# KiCad board SP110Duo.kicad_pcb (continued)
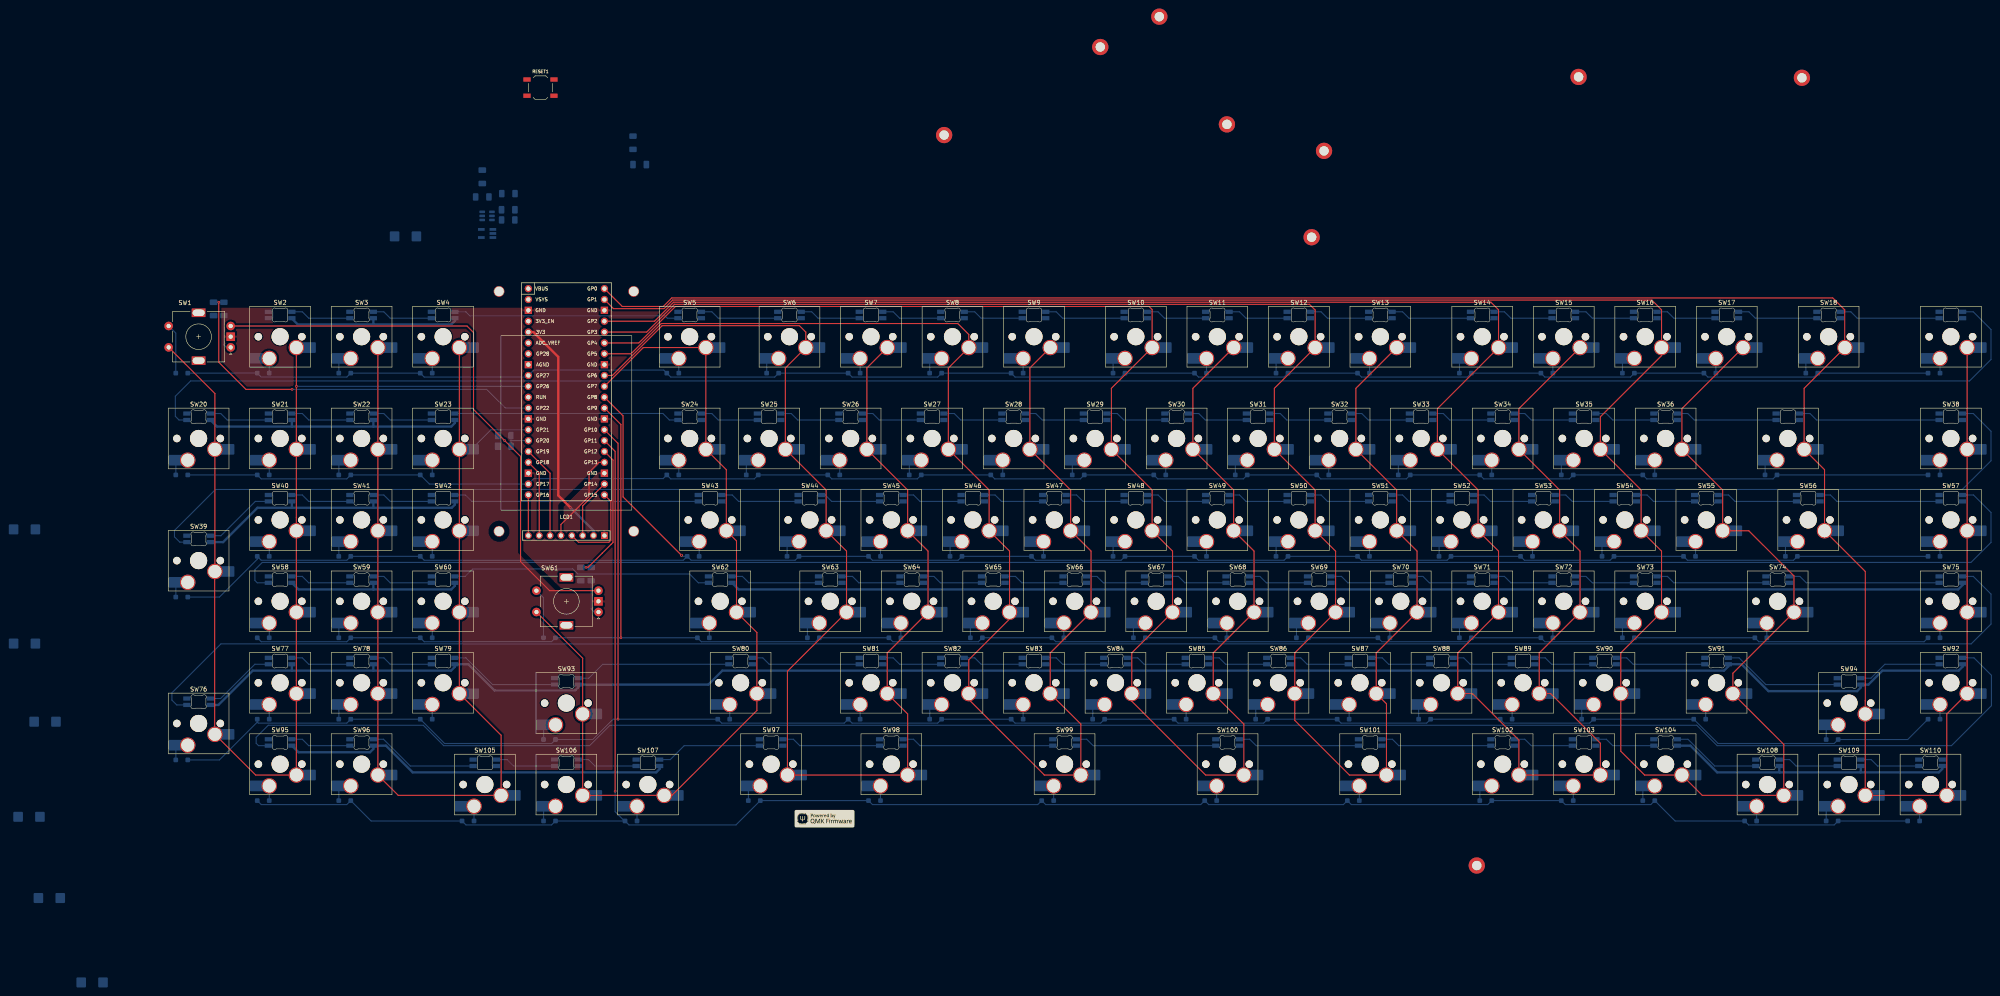
[diagram p0: board, top side]
## Routing (per net, layer and track width the routed paths; a pad name or vN(x,y) marks a point on that pad's centre or on a via; arc(x,y) is an arc through that point) (continued)
Net-(SW27-DOUT): length 14.2
  Bottom w0.25: SW27.4 178.44,83.35 179.94,81.85 SW28.5
Net-(SW28-DOUT): length 14.2
  Bottom w0.25: SW28.4 197.49,83.35 198.99,81.85 SW29.5
Net-(SW29-DOUT): length 14.2
  Bottom w0.25: SW30.5 218.04,81.85 216.54,83.35 SW29.4
Net-(SW30-DOUT): length 14.2
  Bottom w0.25: SW30.4 235.59,83.35 237.09,81.85 SW31.5
Net-(SW31-DOUT): length 14.2
  Bottom w0.25: SW31.4 254.64,83.35 256.14,81.85 SW32.5
Net-(SW32-DOUT): length 14.2
  Bottom w0.25: SW32.4 273.69,83.35 275.19,81.85 SW33.5
Net-(SW33-DOUT): length 14.2
  Bottom w0.25: SW33.4 292.74,83.35 294.24,81.85 SW34.5
Net-(SW34-DOUT): length 14.2
  Bottom w0.25: SW34.4 311.79,83.35 313.29,81.85 SW35.5
Net-(SW35-DOUT): length 14.2
  Bottom w0.25: SW36.5 332.34,81.85 330.84,83.35 SW35.4
Net-(SW36-DOUT): length 23.7
  Bottom w0.25: SW37.5 351.39,81.85 349.89,83.35 SW36.4
Net-(SW37-DOUT): length 33.2
  Bottom w0.25: SW37.4 378.46,83.35 379.96,81.85 SW38.5
Net-(SW38-DOUT): length 451.5
  Bottom w0.25: SW38.4 416.61,83.35 420.76,79.21 420.76,72.31 414.04,65.59 5.74,65.59 -3.84,56.01 -3.84,54.51 -2.61,53.28 SW39.5
Net-(SW39-DOUT): length 16.9
  Bottom w0.25: SW40.5 15.05,62.8 7.02,54.78 SW39.4
Net-(SW40-DOUT): length 14.2
  Bottom w0.25: SW40.4 26.04,64.3 27.54,62.8 SW41.5
Net-(SW41-DOUT): length 14.2
  Bottom w0.25: SW41.4 45.09,64.3 46.59,62.8 SW42.5
Net-(SW42-DOUT): length 57.5
  Bottom w0.25: SW43.5 65.68,62.8 64.18,64.3 SW42.4
Net-(SW43-DOUT): length 18.5
  Bottom w0.25: SW44.5 128.02,62.8 126.52,64.3 SW43.4
Net-(SW44-DOUT): length 14.2
  Bottom w0.25: SW44.4 148.27,64.3 149.77,62.8 SW45.5
Net-(SW45-DOUT): length 14.2
  Bottom w0.25: SW45.4 168.91,64.3 170.41,62.8 SW46.5
Net-(SW46-DOUT): length 14.2
  Bottom w0.25: SW46.4 187.96,64.3 189.46,62.8 SW47.5
Net-(SW47-DOUT): length 14.2
  Bottom w0.25: SW47.4 207.01,64.3 208.51,62.8 SW48.5
Net-(SW48-DOUT): length 14.2
  Bottom w0.25: SW48.4 226.06,64.3 227.56,62.8 SW49.5
Net-(SW49-DOUT): length 14.2
  Bottom w0.25: SW50.5 246.61,62.8 245.11,64.3 SW49.4
Net-(SW50-DOUT): length 14.2
  Bottom w0.25: SW50.4 264.16,64.3 265.66,62.8 SW51.5
Net-(SW51-DOUT): length 14.2
  Bottom w0.25: SW51.4 283.21,64.3 284.71,62.8 SW52.5
Net-(SW52-DOUT): length 14.2
  Bottom w0.25: SW53.5 303.76,62.8 302.26,64.3 SW52.4
Net-(SW53-DOUT): length 14.2
  Bottom w0.25: SW53.4 321.36,64.3 322.86,62.8 SW54.5
Net-(SW54-DOUT): length 14.2
  Bottom w0.25: SW55.5 341.86,62.8 340.36,64.3 SW54.4
Net-(SW55-DOUT): length 18.9
  Bottom w0.25: SW56.5 360.91,62.8 359.41,64.3 SW55.4
Net-(SW56-DOUT): length 28.5
  Bottom w0.25: SW57.5 384.72,62.8 383.22,64.3 SW56.4
Net-(SW57-DOUT): length 429.7
  Bottom w0.25: SW57.4 416.66,64.3 420.76,60.21 420.76,53.21 416.07,48.52 16.67,48.52 14.96,46.81 14.96,44.31 15.51,43.75 SW58.5
Net-(SW58-DOUT): length 14.2
  Bottom w0.25: SW58.4 26.04,45.25 27.54,43.75 SW59.5
Net-(SW59-DOUT): length 14.2
  Bottom w0.25: SW59.4 45.09,45.25 46.59,43.75 SW60.5
Net-(SW60-DOUT): length 61.3
  Bottom w0.25: SW60.4 64.1,45.25 65.86,47.01 89.26,47.01 90.46,45.81 116.56,45.81 118.61,43.75 SW62.5
Net-(SW62-DOUT): length 20.8
  Bottom w0.25: SW62.4 128.91,45.25 130.41,43.75 SW63.5
Net-(SW63-DOUT): length 14.2
  Bottom w0.25: SW63.4 154.62,45.25 156.12,43.75 SW64.5
Net-(SW64-DOUT): length 14.2
  Bottom w0.25: SW64.4 173.67,45.25 175.17,43.75 SW65.5
Net-(SW65-DOUT): length 14.2
  Bottom w0.25: SW66.5 194.22,43.75 192.72,45.25 SW65.4
Net-(SW66-DOUT): length 14.2
  Bottom w0.25: SW66.4 211.77,45.25 213.27,43.75 SW67.5
Net-(SW67-DOUT): length 14.2
  Bottom w0.25: SW68.5 232.32,43.75 230.82,45.25 SW67.4
Net-(SW68-DOUT): length 14.2
  Bottom w0.25: SW68.4 249.87,45.25 251.37,43.75 SW69.5
Net-(SW69-DOUT): length 14.2
  Bottom w0.25: SW69.4 268.92,45.25 270.42,43.75 SW70.5
Net-(SW70-DOUT): length 14.2
  Bottom w0.25: SW71.5 289.47,43.75 287.97,45.25 SW70.4
Net-(SW71-DOUT): length 14.2
  Bottom w0.25: SW71.4 307.01,45.25 308.51,43.75 SW72.5
Net-(SW72-DOUT): length 14.2
  Bottom w0.25: SW72.4 326.07,45.25 327.57,43.75 SW73.5
Net-(SW73-DOUT): length 26.1
  Bottom w0.25: SW73.4 345.12,45.25 346.62,43.75 SW74.5
Net-(SW74-DOUT): length 35.6
  Bottom w0.25: SW74.4 376.08,45.25 377.58,43.75 SW75.5
Net-(SW75-DOUT): length 452.9
  Bottom w0.25: SW76.5 -3.31,15.18 -4.44,16.31 -4.44,18.01 7.02,29.47 416.12,29.47 420.76,34.11 420.76,41.11 416.61,45.25 SW75.4
Net-(SW76-DOUT): length 16.9
  Bottom w0.25: SW76.4 6.92,16.68 14.95,24.7 SW77.5
Net-(SW77-DOUT): length 14.2
  Bottom w0.25: SW78.5 27.54,24.7 26.04,26.2 SW77.4
Net-(SW78-DOUT): length 14.2
  Bottom w0.25: SW78.4 45.09,26.2 46.59,24.7 SW79.5
Net-(SW79-DOUT): length 25.9
  Bottom w0.25: SW79.4 64.26,26.2 70.53,19.94 SW93.5
Net-(SW80-DIN): length 36.6
  Bottom w0.25: SW93.4 92.99,21.44 96.25,24.7 SW80.5
Net-(SW80-DOUT): length 25.6
  Bottom w0.25: SW80.4 133.67,26.2 135.17,24.7 SW81.5
Net-(SW81-DOUT): length 14.2
  Bottom w0.25: SW81.4 164.15,26.2 165.65,24.7 SW82.5
Net-(SW82-DOUT): length 14.2
  Bottom w0.25: SW83.5 184.7,24.7 183.2,26.2 SW82.4
Net-(SW83-DOUT): length 14.2
  Bottom w0.25: SW84.5 203.75,24.7 202.25,26.2 SW83.4
Net-(SW84-DOUT): length 14.2
  Bottom w0.25: SW84.4 221.3,26.2 222.8,24.7 SW85.5
Net-(SW85-DOUT): length 14.2
  Bottom w0.25: SW85.4 240.35,26.2 241.85,24.7 SW86.5
Net-(SW86-DOUT): length 14.2
  Bottom w0.25: SW86.4 259.4,26.2 260.9,24.7 SW87.5
Net-(SW87-DOUT): length 14.2
  Bottom w0.25: SW88.5 279.95,24.7 278.45,26.2 SW87.4
Net-(SW88-DOUT): length 14.2
  Bottom w0.25: SW89.5 299,24.7 297.5,26.2 SW88.4
Net-(SW89-DOUT): length 14.2
  Bottom w0.25: SW89.4 316.55,26.2 318.05,24.7 SW90.5
Net-(SW90-DOUT): length 21.3
  Bottom w0.25: SW91.5 337.1,24.7 335.6,26.2 SW90.4
Net-(SW91-DOUT): length 28.1
  Bottom w0.25: SW94.5 368.13,19.94 361.86,26.2 SW91.4
Net-(SW92-DIN): length 19.7
  Bottom w0.25: SW94.4 392.69,21.44 395.95,24.7 SW92.5
Net-(SW92-DOUT): length 436.6
  Bottom w0.25: SW92.4 416.76,26.2 420.86,22.11 420.86,15.01 411.51,5.66 356.75,5.66 351.98,10.42 97.98,10.42 93.21,5.66 59.09,5.66 54.33,10.42 18.07,10.42 15.26,7.61 15.26,6.21 15.81,5.65 SW95.5
Net-(SW95-DOUT): length 14.2
  Bottom w0.25: SW96.5 27.54,5.65 26.04,7.15 SW95.4
Net-(SW97-DOUT): length 23.2
  Bottom w0.25: SW98.5 142.31,5.65 140.81,7.15 SW97.4
Net-(SW98-DOUT): length 35.6
  Bottom w0.25: SW99.5 170.41,5.65 168.91,7.15 SW98.4
Net-(SW100-DIN): length 33.2
  Bottom w0.25: SW100.5 210.89,5.65 209.39,7.15 SW99.4
Net-(SW100-DOUT): length 28.5
  Bottom w0.25: SW100.4 247.49,7.15 248.99,5.65 SW101.5
Net-(SW101-DOUT): length 26.1
  Bottom w0.25: SW101.4 280.83,7.15 282.33,5.65 SW102.5
Net-(SW102-DOUT): length 14.2
  Bottom w0.25: SW103.5 313.29,5.65 311.79,7.15 SW102.4
Net-(SW103-DOUT): length 14.2
  Bottom w0.25: SW103.4 330.84,7.15 332.34,5.65 SW104.5
Net-(SW104-DOUT): length 20.9
  Bottom w0.25: SW108.5 356.18,0.89 349.91,7.15 SW104.4
Net-(SW105-DIN): length 25.9
  Bottom w0.25: SW105.5 51.28,0.89 45.01,7.15 SW96.4
Net-(SW105-DOUT): length 14.2
  Bottom w0.25: SW105.4 73.9,2.39 75.4,0.89 SW106.5
Net-(SW106-DOUT): length 14.2
  Bottom w0.25: SW106.4 92.95,2.39 94.45,0.89 SW107.5
Net-(SW107-DOUT): length 24.7
  Bottom w0.25: SW97.5 115.3,5.65 112.04,2.39 SW107.4
Net-(SW108-DOUT): length 14.2
  Bottom w0.25: SW108.4 373.7,2.39 375.2,0.89 SW109.5
Net-(SW109-DOUT): length 14.2
  Bottom w0.25: SW109.4 392.75,2.39 394.25,0.89 SW110.5

## Copper pours and planes (outline as drawn; the poured copper is in the pictures)
GND on Top, Bottom: -95.52,222.66 519.16,222.66 519.16,-220.57 -96.79,-220.57

## Text on the board
B.Silkscreen: JLCJLCJLCJLC
